# Altium PCB 51最小系统.PcbDoc (part 2 of 2)
Units mil, origin at the board's own origin, x right, y up, seen from the top; angles counter-clockwise.
Board outline 6000 x 4000 mil, 2 copper layers (Top Layer, Bottom Layer); 22 components, 39 nets, 138 pads, 0 vias.
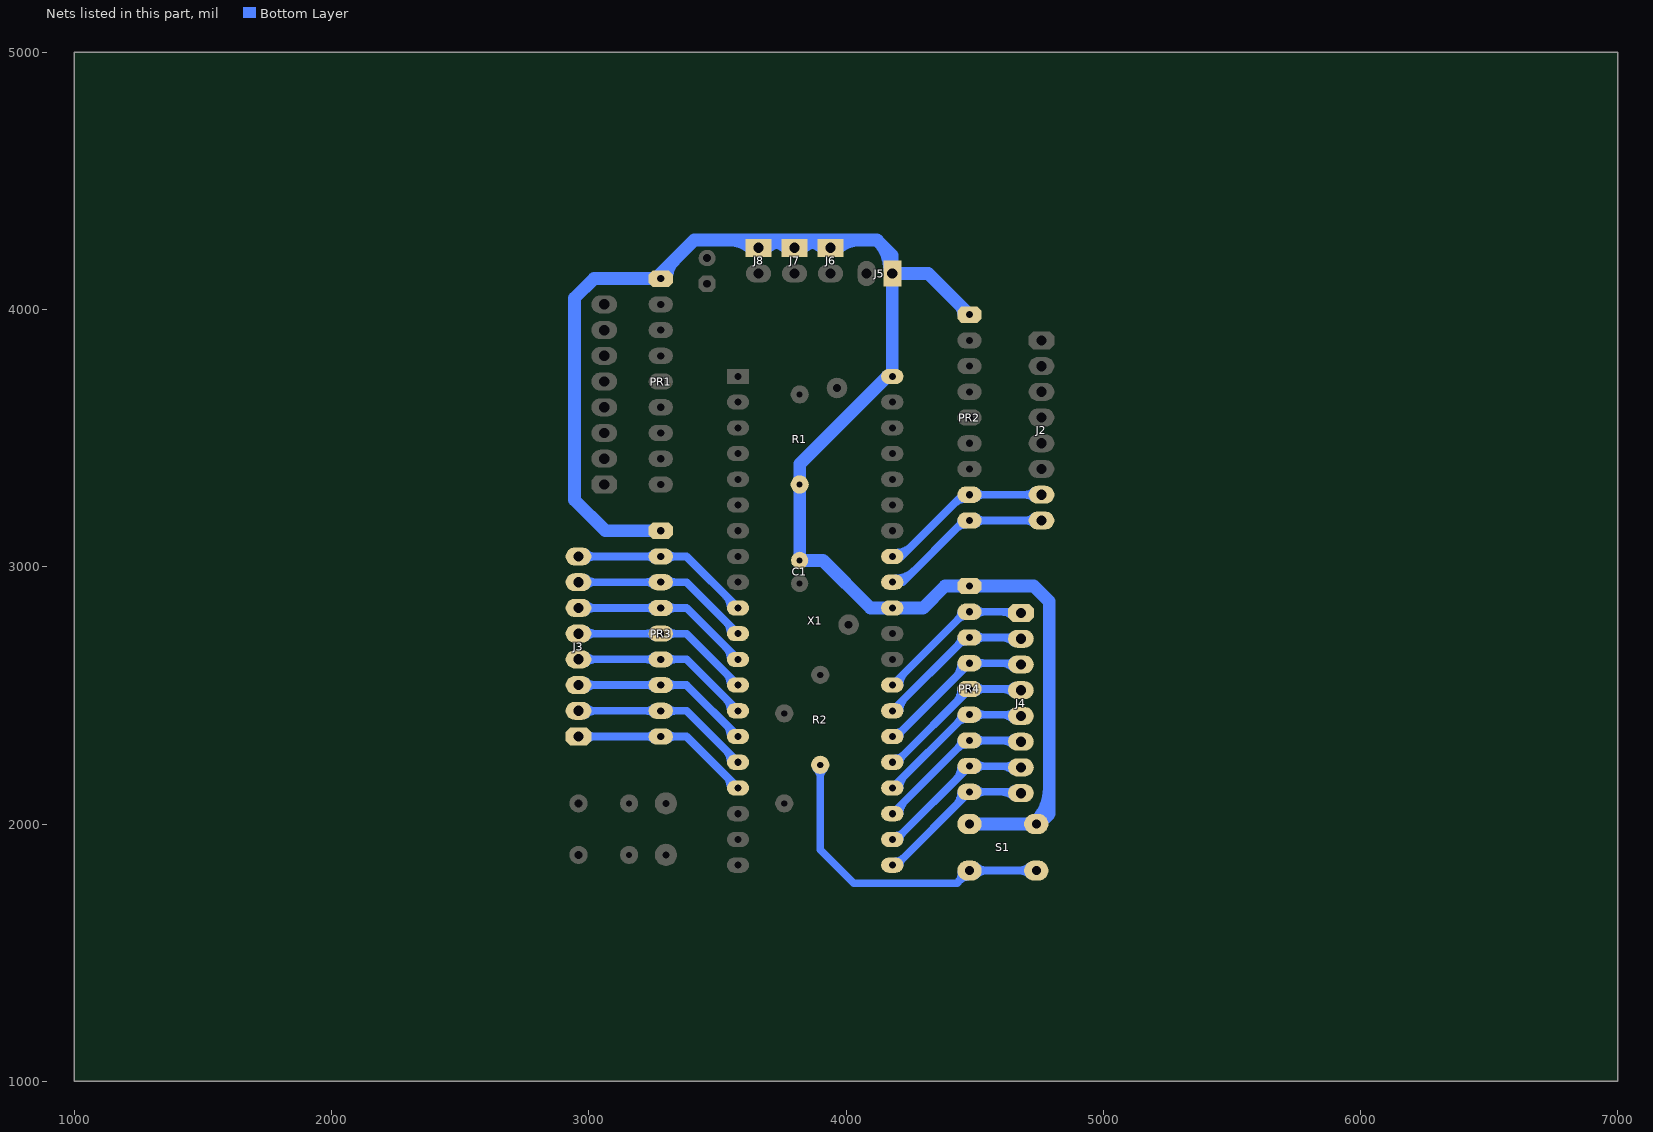
[diagram p2: the nets of this part, all layers, seen from the top]

## Nets (pads, with @x,y where several pads share a name; then routed paths per layer and width w, separated by ;. In a path a pad name is that pad's centre, name@x,y a point inside that pad or via, vN(x,y) a via of type N, cw(c..) or ccw(c..) an arc to the next point about the centre after c; other vN are vias at no path point) (continued)
NetJ2_7: J2.7 PR2.8 X1.33 | length 1444.4
  Bottom Layer w30: X1.33@4180,3040 4215,3040 4455,3280 PR2.8@4480,3280 J2.7@4760,3280 ; X1.33@4193.78,3054.53 ccw(c4193.78,3140.83) 4254.81,3079.81 ; X1.33@4193.78,3054.53 ccw(c4193.78,3140.83) 4254.81,3079.81 ; X1.33@4193.78,3054.53 ccw(c4193.78,3140.83) 4254.81,3079.81 ; 4420.3,3245.3 cw(c4464.25,3201.34) PR2.8@4464.25,3263.5 ; 4420.3,3245.3 cw(c4464.25,3201.34) PR2.8@4464.25,3263.5 ; 4420.3,3245.3 cw(c4464.25,3201.34) PR2.8@4464.25,3263.5 ; PR2.8@4507.41,3268.34 cw(c4535.57,3240.18) 4535.57,3280 ; PR2.8@4507.41,3268.34 cw(c4535.57,3240.18) 4535.57,3280 ; PR2.8@4507.41,3268.34 cw(c4535.57,3240.18) 4535.57,3280 ; PR2.8@4507.41,3291.66 ccw(c4535.57,3319.82) 4535.57,3280 ; PR2.8@4507.41,3291.66 ccw(c4535.57,3319.82) 4535.57,3280 ; PR2.8@4507.41,3291.66 ccw(c4535.57,3319.82) 4535.57,3280 ; 4696.72,3280 cw(c4696.72,3231.72) J2.7@4730.86,3265.86 ; 4696.72,3280 ccw(c4696.72,3328.28) J2.7@4730.86,3294.14 ; 4696.72,3280 cw(c4696.72,3231.72) J2.7@4730.86,3265.86 ; 4696.72,3280 ccw(c4696.72,3328.28) J2.7@4730.86,3294.14 ; 4696.72,3280 ccw(c4696.72,3328.28) J2.7@4730.86,3294.14 ; 4696.72,3280 cw(c4696.72,3231.72) J2.7@4730.86,3265.86
NetJ2_8: J2.8 PR2.9 X1.32 | length 1514.1
  Bottom Layer w30: X1.32@4180,2940 4220,2940 4460,3180 PR2.9@4480,3180 J2.8@4760,3180 ; X1.32@4193.78,2954.53 ccw(c4193.78,3052.9) 4263.34,2983.34 ; X1.32@4193.78,2954.53 ccw(c4193.78,3052.9) 4263.34,2983.34 ; X1.32@4193.78,2954.53 ccw(c4193.78,3052.9) 4263.34,2983.34 ; 4428.83,3148.83 cw(c4464.25,3113.41) PR2.9@4464.25,3163.5 ; 4428.83,3148.83 cw(c4464.25,3113.41) PR2.9@4464.25,3163.5 ; 4428.83,3148.83 cw(c4464.25,3113.41) PR2.9@4464.25,3163.5 ; 4439.1,3159.1 ccw(c4418.2,3180) PR2.9@4447.76,3180 ; 4439.1,3159.1 ccw(c4418.2,3180) PR2.9@4447.76,3180 ; 4439.1,3159.1 ccw(c4418.2,3180) PR2.9@4447.76,3180 ; PR2.9@4507.41,3168.34 cw(c4535.57,3140.18) 4535.57,3180 ; PR2.9@4507.41,3168.34 cw(c4535.57,3140.18) 4535.57,3180 ; PR2.9@4507.41,3168.34 cw(c4535.57,3140.18) 4535.57,3180 ; PR2.9@4507.41,3191.66 ccw(c4535.57,3219.82) 4535.57,3180 ; PR2.9@4507.41,3191.66 ccw(c4535.57,3219.82) 4535.57,3180 ; PR2.9@4507.41,3191.66 ccw(c4535.57,3219.82) 4535.57,3180 ; 4696.72,3180 cw(c4696.72,3131.72) J2.8@4730.86,3165.86 ; 4696.72,3180 ccw(c4696.72,3228.28) J2.8@4730.86,3194.14 ; 4696.72,3180 cw(c4696.72,3131.72) J2.8@4730.86,3165.86 ; 4696.72,3180 ccw(c4696.72,3228.28) J2.8@4730.86,3194.14 ; 4696.72,3180 ccw(c4696.72,3228.28) J2.8@4730.86,3194.14 ; 4696.72,3180 cw(c4696.72,3131.72) J2.8@4730.86,3165.86
NetJ3_1: J3.1 PR3.9 X1.17 | length 1466.7
  Bottom Layer w30: J3.1@2960,2340 3380,2340 X1.17@3580,2140 ; J3.1@2989.14,2325.86 cw(c3023.28,2291.72) 3023.28,2340 ; J3.1@2989.14,2325.86 cw(c3023.28,2291.72) 3023.28,2340 ; J3.1@2989.14,2325.86 cw(c3023.28,2291.72) 3023.28,2340 ; J3.1@2989.14,2354.14 ccw(c3023.28,2388.28) 3023.28,2340 ; J3.1@2989.14,2354.14 ccw(c3023.28,2388.28) 3023.28,2340 ; J3.1@2989.14,2354.14 ccw(c3023.28,2388.28) 3023.28,2340 ; 3224.43,2340 cw(c3224.43,2300.18) PR3.9@3252.59,2328.34 ; 3224.43,2340 ccw(c3224.43,2379.82) PR3.9@3252.59,2351.66 ; 3224.43,2340 cw(c3224.43,2300.18) PR3.9@3252.59,2328.34 ; 3224.43,2340 ccw(c3224.43,2379.82) PR3.9@3252.59,2351.66 ; 3224.43,2340 ccw(c3224.43,2379.82) PR3.9@3252.59,2351.66 ; 3224.43,2340 cw(c3224.43,2300.18) PR3.9@3252.59,2328.34 ; PR3.9@3307.41,2328.34 cw(c3335.57,2300.18) 3335.57,2340 ; PR3.9@3307.41,2328.34 cw(c3335.57,2300.18) 3335.57,2340 ; PR3.9@3307.41,2328.34 cw(c3335.57,2300.18) 3335.57,2340 ; PR3.9@3307.41,2351.66 ccw(c3335.57,2379.82) 3335.57,2340 ; PR3.9@3307.41,2351.66 ccw(c3335.57,2379.82) 3335.57,2340 ; PR3.9@3307.41,2351.66 ccw(c3335.57,2379.82) 3335.57,2340 ; 3531.68,2188.32 cw(c3483.35,2140) X1.17@3551.69,2140 ; 3531.68,2188.32 cw(c3483.35,2140) X1.17@3551.69,2140 ; 3531.68,2188.32 cw(c3483.35,2140) X1.17@3551.69,2140
NetJ3_2: J3.2 PR3.8 X1.16 | length 1466.7
  Bottom Layer w30: J3.2@2960,2440 3380,2440 X1.16@3580,2240 ; J3.2@2989.14,2425.86 cw(c3023.28,2391.72) 3023.28,2440 ; J3.2@2989.14,2425.86 cw(c3023.28,2391.72) 3023.28,2440 ; J3.2@2989.14,2425.86 cw(c3023.28,2391.72) 3023.28,2440 ; J3.2@2989.14,2454.14 ccw(c3023.28,2488.28) 3023.28,2440 ; J3.2@2989.14,2454.14 ccw(c3023.28,2488.28) 3023.28,2440 ; J3.2@2989.14,2454.14 ccw(c3023.28,2488.28) 3023.28,2440 ; 3224.43,2440 cw(c3224.43,2400.18) PR3.8@3252.59,2428.34 ; 3224.43,2440 ccw(c3224.43,2479.82) PR3.8@3252.59,2451.66 ; 3224.43,2440 cw(c3224.43,2400.18) PR3.8@3252.59,2428.34 ; 3224.43,2440 ccw(c3224.43,2479.82) PR3.8@3252.59,2451.66 ; 3224.43,2440 ccw(c3224.43,2479.82) PR3.8@3252.59,2451.66 ; 3224.43,2440 cw(c3224.43,2400.18) PR3.8@3252.59,2428.34 ; PR3.8@3307.41,2428.34 cw(c3335.57,2400.18) 3335.57,2440 ; PR3.8@3307.41,2428.34 cw(c3335.57,2400.18) 3335.57,2440 ; PR3.8@3307.41,2428.34 cw(c3335.57,2400.18) 3335.57,2440 ; PR3.8@3307.41,2451.66 ccw(c3335.57,2479.82) 3335.57,2440 ; PR3.8@3307.41,2451.66 ccw(c3335.57,2479.82) 3335.57,2440 ; PR3.8@3307.41,2451.66 ccw(c3335.57,2479.82) 3335.57,2440 ; 3531.68,2288.32 cw(c3483.35,2240) X1.16@3551.69,2240 ; 3531.68,2288.32 cw(c3483.35,2240) X1.16@3551.69,2240 ; 3531.68,2288.32 cw(c3483.35,2240) X1.16@3551.69,2240
NetJ3_3: J3.3 PR3.7 X1.15 | length 1466.7
  Bottom Layer w30: J3.3@2960,2540 3380,2540 X1.15@3580,2340 ; J3.3@2989.14,2525.86 cw(c3023.28,2491.72) 3023.28,2540 ; J3.3@2989.14,2525.86 cw(c3023.28,2491.72) 3023.28,2540 ; J3.3@2989.14,2525.86 cw(c3023.28,2491.72) 3023.28,2540 ; J3.3@2989.14,2554.14 ccw(c3023.28,2588.28) 3023.28,2540 ; J3.3@2989.14,2554.14 ccw(c3023.28,2588.28) 3023.28,2540 ; J3.3@2989.14,2554.14 ccw(c3023.28,2588.28) 3023.28,2540 ; 3224.43,2540 cw(c3224.43,2500.18) PR3.7@3252.59,2528.34 ; 3224.43,2540 ccw(c3224.43,2579.82) PR3.7@3252.59,2551.66 ; 3224.43,2540 cw(c3224.43,2500.18) PR3.7@3252.59,2528.34 ; 3224.43,2540 ccw(c3224.43,2579.82) PR3.7@3252.59,2551.66 ; 3224.43,2540 ccw(c3224.43,2579.82) PR3.7@3252.59,2551.66 ; 3224.43,2540 cw(c3224.43,2500.18) PR3.7@3252.59,2528.34 ; PR3.7@3307.41,2528.34 cw(c3335.57,2500.18) 3335.57,2540 ; PR3.7@3307.41,2528.34 cw(c3335.57,2500.18) 3335.57,2540 ; PR3.7@3307.41,2528.34 cw(c3335.57,2500.18) 3335.57,2540 ; PR3.7@3307.41,2551.66 ccw(c3335.57,2579.82) 3335.57,2540 ; PR3.7@3307.41,2551.66 ccw(c3335.57,2579.82) 3335.57,2540 ; PR3.7@3307.41,2551.66 ccw(c3335.57,2579.82) 3335.57,2540 ; 3531.68,2388.32 cw(c3483.35,2340) X1.15@3551.69,2340 ; 3531.68,2388.32 cw(c3483.35,2340) X1.15@3551.69,2340 ; 3531.68,2388.32 cw(c3483.35,2340) X1.15@3551.69,2340
NetJ3_4: J3.4 PR3.6 X1.14 | length 1466.7
  Bottom Layer w30: J3.4@2960,2640 3380,2640 X1.14@3580,2440 ; J3.4@2989.14,2625.86 cw(c3023.28,2591.72) 3023.28,2640 ; J3.4@2989.14,2625.86 cw(c3023.28,2591.72) 3023.28,2640 ; J3.4@2989.14,2625.86 cw(c3023.28,2591.72) 3023.28,2640 ; J3.4@2989.14,2654.14 ccw(c3023.28,2688.28) 3023.28,2640 ; J3.4@2989.14,2654.14 ccw(c3023.28,2688.28) 3023.28,2640 ; J3.4@2989.14,2654.14 ccw(c3023.28,2688.28) 3023.28,2640 ; 3224.43,2640 cw(c3224.43,2600.18) PR3.6@3252.59,2628.34 ; 3224.43,2640 ccw(c3224.43,2679.82) PR3.6@3252.59,2651.66 ; 3224.43,2640 cw(c3224.43,2600.18) PR3.6@3252.59,2628.34 ; 3224.43,2640 ccw(c3224.43,2679.82) PR3.6@3252.59,2651.66 ; 3224.43,2640 ccw(c3224.43,2679.82) PR3.6@3252.59,2651.66 ; 3224.43,2640 cw(c3224.43,2600.18) PR3.6@3252.59,2628.34 ; PR3.6@3307.41,2628.34 cw(c3335.57,2600.18) 3335.57,2640 ; PR3.6@3307.41,2628.34 cw(c3335.57,2600.18) 3335.57,2640 ; PR3.6@3307.41,2628.34 cw(c3335.57,2600.18) 3335.57,2640 ; PR3.6@3307.41,2651.66 ccw(c3335.57,2679.82) 3335.57,2640 ; PR3.6@3307.41,2651.66 ccw(c3335.57,2679.82) 3335.57,2640 ; PR3.6@3307.41,2651.66 ccw(c3335.57,2679.82) 3335.57,2640 ; 3531.68,2488.32 cw(c3483.35,2440) X1.14@3551.69,2440 ; 3531.68,2488.32 cw(c3483.35,2440) X1.14@3551.69,2440 ; 3531.68,2488.32 cw(c3483.35,2440) X1.14@3551.69,2440
NetJ3_5: J3.5 PR3.5 X1.13 | length 1466.7
  Bottom Layer w30: J3.5@2960,2740 3380,2740 X1.13@3580,2540 ; J3.5@2989.14,2725.86 cw(c3023.28,2691.72) 3023.28,2740 ; J3.5@2989.14,2725.86 cw(c3023.28,2691.72) 3023.28,2740 ; J3.5@2989.14,2725.86 cw(c3023.28,2691.72) 3023.28,2740 ; J3.5@2989.14,2754.14 ccw(c3023.28,2788.28) 3023.28,2740 ; J3.5@2989.14,2754.14 ccw(c3023.28,2788.28) 3023.28,2740 ; J3.5@2989.14,2754.14 ccw(c3023.28,2788.28) 3023.28,2740 ; 3224.43,2740 cw(c3224.43,2700.18) PR3.5@3252.59,2728.34 ; 3224.43,2740 ccw(c3224.43,2779.82) PR3.5@3252.59,2751.66 ; 3224.43,2740 cw(c3224.43,2700.18) PR3.5@3252.59,2728.34 ; 3224.43,2740 ccw(c3224.43,2779.82) PR3.5@3252.59,2751.66 ; 3224.43,2740 ccw(c3224.43,2779.82) PR3.5@3252.59,2751.66 ; 3224.43,2740 cw(c3224.43,2700.18) PR3.5@3252.59,2728.34 ; PR3.5@3307.41,2728.34 cw(c3335.57,2700.18) 3335.57,2740 ; PR3.5@3307.41,2728.34 cw(c3335.57,2700.18) 3335.57,2740 ; PR3.5@3307.41,2728.34 cw(c3335.57,2700.18) 3335.57,2740 ; PR3.5@3307.41,2751.66 ccw(c3335.57,2779.82) 3335.57,2740 ; PR3.5@3307.41,2751.66 ccw(c3335.57,2779.82) 3335.57,2740 ; PR3.5@3307.41,2751.66 ccw(c3335.57,2779.82) 3335.57,2740 ; 3531.68,2588.32 cw(c3483.35,2540) X1.13@3551.69,2540 ; 3531.68,2588.32 cw(c3483.35,2540) X1.13@3551.69,2540 ; 3531.68,2588.32 cw(c3483.35,2540) X1.13@3551.69,2540
NetJ3_6: J3.6 PR3.4 X1.12 | length 1466.7
  Bottom Layer w30: J3.6@2960,2840 3380,2840 X1.12@3580,2640 ; J3.6@2989.14,2825.86 cw(c3023.28,2791.72) 3023.28,2840 ; J3.6@2989.14,2825.86 cw(c3023.28,2791.72) 3023.28,2840 ; J3.6@2989.14,2825.86 cw(c3023.28,2791.72) 3023.28,2840 ; J3.6@2989.14,2854.14 ccw(c3023.28,2888.28) 3023.28,2840 ; J3.6@2989.14,2854.14 ccw(c3023.28,2888.28) 3023.28,2840 ; J3.6@2989.14,2854.14 ccw(c3023.28,2888.28) 3023.28,2840 ; 3224.43,2840 cw(c3224.43,2800.18) PR3.4@3252.59,2828.34 ; 3224.43,2840 ccw(c3224.43,2879.82) PR3.4@3252.59,2851.66 ; 3224.43,2840 cw(c3224.43,2800.18) PR3.4@3252.59,2828.34 ; 3224.43,2840 ccw(c3224.43,2879.82) PR3.4@3252.59,2851.66 ; 3224.43,2840 ccw(c3224.43,2879.82) PR3.4@3252.59,2851.66 ; 3224.43,2840 cw(c3224.43,2800.18) PR3.4@3252.59,2828.34 ; PR3.4@3307.41,2828.34 cw(c3335.57,2800.18) 3335.57,2840 ; PR3.4@3307.41,2828.34 cw(c3335.57,2800.18) 3335.57,2840 ; PR3.4@3307.41,2828.34 cw(c3335.57,2800.18) 3335.57,2840 ; PR3.4@3307.41,2851.66 ccw(c3335.57,2879.82) 3335.57,2840 ; PR3.4@3307.41,2851.66 ccw(c3335.57,2879.82) 3335.57,2840 ; PR3.4@3307.41,2851.66 ccw(c3335.57,2879.82) 3335.57,2840 ; 3531.68,2688.32 cw(c3483.35,2640) X1.12@3551.69,2640 ; 3531.68,2688.32 cw(c3483.35,2640) X1.12@3551.69,2640 ; 3531.68,2688.32 cw(c3483.35,2640) X1.12@3551.69,2640
NetJ3_7: J3.7 PR3.3 X1.11 | length 1466.7
  Bottom Layer w30: J3.7@2960,2940 3380,2940 X1.11@3580,2740 ; J3.7@2989.14,2925.86 cw(c3023.28,2891.72) 3023.28,2940 ; J3.7@2989.14,2925.86 cw(c3023.28,2891.72) 3023.28,2940 ; J3.7@2989.14,2925.86 cw(c3023.28,2891.72) 3023.28,2940 ; J3.7@2989.14,2954.14 ccw(c3023.28,2988.28) 3023.28,2940 ; J3.7@2989.14,2954.14 ccw(c3023.28,2988.28) 3023.28,2940 ; J3.7@2989.14,2954.14 ccw(c3023.28,2988.28) 3023.28,2940 ; 3224.43,2940 cw(c3224.43,2900.18) PR3.3@3252.59,2928.34 ; 3224.43,2940 ccw(c3224.43,2979.82) PR3.3@3252.59,2951.66 ; 3224.43,2940 cw(c3224.43,2900.18) PR3.3@3252.59,2928.34 ; 3224.43,2940 ccw(c3224.43,2979.82) PR3.3@3252.59,2951.66 ; 3224.43,2940 ccw(c3224.43,2979.82) PR3.3@3252.59,2951.66 ; 3224.43,2940 cw(c3224.43,2900.18) PR3.3@3252.59,2928.34 ; PR3.3@3307.41,2928.34 cw(c3335.57,2900.18) 3335.57,2940 ; PR3.3@3307.41,2928.34 cw(c3335.57,2900.18) 3335.57,2940 ; PR3.3@3307.41,2928.34 cw(c3335.57,2900.18) 3335.57,2940 ; PR3.3@3307.41,2951.66 ccw(c3335.57,2979.82) 3335.57,2940 ; PR3.3@3307.41,2951.66 ccw(c3335.57,2979.82) 3335.57,2940 ; PR3.3@3307.41,2951.66 ccw(c3335.57,2979.82) 3335.57,2940 ; 3531.68,2788.32 cw(c3483.35,2740) X1.11@3551.69,2740 ; 3531.68,2788.32 cw(c3483.35,2740) X1.11@3551.69,2740 ; 3531.68,2788.32 cw(c3483.35,2740) X1.11@3551.69,2740
NetJ3_8: J3.8 PR3.2 X1.10 | length 1466.7
  Bottom Layer w30: J3.8@2960,3040 3380,3040 X1.10@3580,2840 ; J3.8@2989.14,3025.86 cw(c3023.28,2991.72) 3023.28,3040 ; J3.8@2989.14,3025.86 cw(c3023.28,2991.72) 3023.28,3040 ; J3.8@2989.14,3025.86 cw(c3023.28,2991.72) 3023.28,3040 ; J3.8@2989.14,3054.14 ccw(c3023.28,3088.28) 3023.28,3040 ; J3.8@2989.14,3054.14 ccw(c3023.28,3088.28) 3023.28,3040 ; J3.8@2989.14,3054.14 ccw(c3023.28,3088.28) 3023.28,3040 ; 3224.43,3040 cw(c3224.43,3000.18) PR3.2@3252.59,3028.34 ; 3224.43,3040 ccw(c3224.43,3079.82) PR3.2@3252.59,3051.66 ; 3224.43,3040 cw(c3224.43,3000.18) PR3.2@3252.59,3028.34 ; 3224.43,3040 ccw(c3224.43,3079.82) PR3.2@3252.59,3051.66 ; 3224.43,3040 ccw(c3224.43,3079.82) PR3.2@3252.59,3051.66 ; 3224.43,3040 cw(c3224.43,3000.18) PR3.2@3252.59,3028.34 ; PR3.2@3307.41,3028.34 cw(c3335.57,3000.18) 3335.57,3040 ; PR3.2@3307.41,3028.34 cw(c3335.57,3000.18) 3335.57,3040 ; PR3.2@3307.41,3028.34 cw(c3335.57,3000.18) 3335.57,3040 ; PR3.2@3307.41,3051.66 ccw(c3335.57,3079.82) 3335.57,3040 ; PR3.2@3307.41,3051.66 ccw(c3335.57,3079.82) 3335.57,3040 ; PR3.2@3307.41,3051.66 ccw(c3335.57,3079.82) 3335.57,3040 ; 3531.68,2888.32 cw(c3483.35,2840) X1.10@3551.69,2840 ; 3531.68,2888.32 cw(c3483.35,2840) X1.10@3551.69,2840 ; 3531.68,2888.32 cw(c3483.35,2840) X1.10@3551.69,2840
NetJ4_1: J4.1 PR4.2 X1.28 | length 1384
  Bottom Layer w30: X1.28@4180,2540 4465,2825 PR4.2@4480,2825 4675,2825 J4.1@4680,2820 ; X1.28@4208.31,2540 cw(c4276.65,2540) 4228.32,2588.32 ; X1.28@4208.31,2540 cw(c4276.65,2540) 4228.32,2588.32 ; X1.28@4208.31,2540 cw(c4276.65,2540) 4228.32,2588.32 ; 4435.56,2795.56 ccw(c4406.13,2825) PR4.2@4447.76,2825 ; 4435.56,2795.56 ccw(c4406.13,2825) PR4.2@4447.76,2825 ; 4435.56,2795.56 ccw(c4406.13,2825) PR4.2@4447.76,2825 ; 4437.37,2797.37 cw(c4464.25,2770.49) PR4.2@4464.25,2808.5 ; 4437.37,2797.37 cw(c4464.25,2770.49) PR4.2@4464.25,2808.5 ; 4437.37,2797.37 cw(c4464.25,2770.49) PR4.2@4464.25,2808.5 ; PR4.2@4507.41,2813.34 cw(c4535.57,2785.18) 4535.57,2825 ; PR4.2@4507.41,2813.34 cw(c4535.57,2785.18) 4535.57,2825 ; PR4.2@4507.41,2813.34 cw(c4535.57,2785.18) 4535.57,2825 ; PR4.2@4507.41,2836.66 ccw(c4535.57,2864.82) 4535.57,2825 ; PR4.2@4507.41,2836.66 ccw(c4535.57,2864.82) 4535.57,2825 ; PR4.2@4507.41,2836.66 ccw(c4535.57,2864.82) 4535.57,2825 ; 4604.64,2825 cw(c4604.64,2759.64) J4.1@4650.86,2805.86 ; 4604.64,2825 cw(c4604.64,2759.64) J4.1@4650.86,2805.86 ; 4604.64,2825 cw(c4604.64,2759.64) J4.1@4650.86,2805.86 ; 4628.79,2825 ccw(c4628.79,2856.21) J4.1@4650.86,2834.14 ; 4628.79,2825 ccw(c4628.79,2856.21) J4.1@4650.86,2834.14 ; 4628.79,2825 ccw(c4628.79,2856.21) J4.1@4650.86,2834.14
NetJ4_2: J4.2 PR4.3 X1.27 | length 1384
  Bottom Layer w30: X1.27@4180,2440 4465,2725 PR4.3@4480,2725 4675,2725 J4.2@4680,2720 ; X1.27@4208.31,2440 cw(c4276.65,2440) 4228.32,2488.32 ; X1.27@4208.31,2440 cw(c4276.65,2440) 4228.32,2488.32 ; X1.27@4208.31,2440 cw(c4276.65,2440) 4228.32,2488.32 ; 4435.56,2695.56 ccw(c4406.13,2725) PR4.3@4447.76,2725 ; 4435.56,2695.56 ccw(c4406.13,2725) PR4.3@4447.76,2725 ; 4435.56,2695.56 ccw(c4406.13,2725) PR4.3@4447.76,2725 ; 4437.37,2697.37 cw(c4464.25,2670.49) PR4.3@4464.25,2708.5 ; 4437.37,2697.37 cw(c4464.25,2670.49) PR4.3@4464.25,2708.5 ; 4437.37,2697.37 cw(c4464.25,2670.49) PR4.3@4464.25,2708.5 ; PR4.3@4507.41,2713.34 cw(c4535.57,2685.18) 4535.57,2725 ; PR4.3@4507.41,2713.34 cw(c4535.57,2685.18) 4535.57,2725 ; PR4.3@4507.41,2713.34 cw(c4535.57,2685.18) 4535.57,2725 ; PR4.3@4507.41,2736.66 ccw(c4535.57,2764.82) 4535.57,2725 ; PR4.3@4507.41,2736.66 ccw(c4535.57,2764.82) 4535.57,2725 ; PR4.3@4507.41,2736.66 ccw(c4535.57,2764.82) 4535.57,2725 ; 4604.64,2725 cw(c4604.64,2659.64) J4.2@4650.86,2705.86 ; 4604.64,2725 cw(c4604.64,2659.64) J4.2@4650.86,2705.86 ; 4604.64,2725 cw(c4604.64,2659.64) J4.2@4650.86,2705.86 ; 4628.79,2725 ccw(c4628.79,2756.21) J4.2@4650.86,2734.14 ; 4628.79,2725 ccw(c4628.79,2756.21) J4.2@4650.86,2734.14 ; 4628.79,2725 ccw(c4628.79,2756.21) J4.2@4650.86,2734.14
NetJ4_3: J4.3 PR4.4 X1.26 | length 1384
  Bottom Layer w30: X1.26@4180,2340 4195,2340 PR4.4@4480,2625 4675,2625 J4.3@4680,2620 ; X1.26@4193.78,2354.53 ccw(c4193.78,2392.55) 4220.66,2365.66 ; X1.26@4193.78,2354.53 ccw(c4193.78,2392.55) 4220.66,2365.66 ; X1.26@4193.78,2354.53 ccw(c4193.78,2392.55) 4220.66,2365.66 ; X1.26@4208.31,2340 cw(c4240.43,2340) 4217.72,2362.72 ; X1.26@4208.31,2340 cw(c4240.43,2340) 4217.72,2362.72 ; X1.26@4208.31,2340 cw(c4240.43,2340) 4217.72,2362.72 ; 4424.96,2569.96 ccw(c4369.91,2625) PR4.4@4447.76,2625 ; 4424.96,2569.96 ccw(c4369.91,2625) PR4.4@4447.76,2625 ; 4424.96,2569.96 ccw(c4369.91,2625) PR4.4@4447.76,2625 ; PR4.4@4507.41,2613.34 cw(c4535.57,2585.18) 4535.57,2625 ; PR4.4@4507.41,2613.34 cw(c4535.57,2585.18) 4535.57,2625 ; PR4.4@4507.41,2613.34 cw(c4535.57,2585.18) 4535.57,2625 ; PR4.4@4507.41,2636.66 ccw(c4535.57,2664.82) 4535.57,2625 ; PR4.4@4507.41,2636.66 ccw(c4535.57,2664.82) 4535.57,2625 ; PR4.4@4507.41,2636.66 ccw(c4535.57,2664.82) 4535.57,2625 ; 4604.64,2625 cw(c4604.64,2559.64) J4.3@4650.86,2605.86 ; 4604.64,2625 cw(c4604.64,2559.64) J4.3@4650.86,2605.86 ; 4604.64,2625 cw(c4604.64,2559.64) J4.3@4650.86,2605.86 ; 4628.79,2625 ccw(c4628.79,2656.21) J4.3@4650.86,2634.14 ; 4628.79,2625 ccw(c4628.79,2656.21) J4.3@4650.86,2634.14 ; 4628.79,2625 ccw(c4628.79,2656.21) J4.3@4650.86,2634.14
NetJ4_4: J4.4 PR4.5 X1.25 | length 1384
  Bottom Layer w30: X1.25@4180,2240 4195,2240 PR4.5@4480,2525 4675,2525 J4.4@4680,2520 ; X1.25@4193.78,2254.53 ccw(c4193.78,2292.55) 4220.66,2265.66 ; X1.25@4193.78,2254.53 ccw(c4193.78,2292.55) 4220.66,2265.66 ; X1.25@4193.78,2254.53 ccw(c4193.78,2292.55) 4220.66,2265.66 ; X1.25@4208.31,2240 cw(c4240.43,2240) 4217.72,2262.72 ; X1.25@4208.31,2240 cw(c4240.43,2240) 4217.72,2262.72 ; X1.25@4208.31,2240 cw(c4240.43,2240) 4217.72,2262.72 ; 4424.96,2469.96 ccw(c4369.91,2525) PR4.5@4447.76,2525 ; 4424.96,2469.96 ccw(c4369.91,2525) PR4.5@4447.76,2525 ; 4424.96,2469.96 ccw(c4369.91,2525) PR4.5@4447.76,2525 ; PR4.5@4507.41,2513.34 cw(c4535.57,2485.18) 4535.57,2525 ; PR4.5@4507.41,2513.34 cw(c4535.57,2485.18) 4535.57,2525 ; PR4.5@4507.41,2513.34 cw(c4535.57,2485.18) 4535.57,2525 ; PR4.5@4507.41,2536.66 ccw(c4535.57,2564.82) 4535.57,2525 ; PR4.5@4507.41,2536.66 ccw(c4535.57,2564.82) 4535.57,2525 ; PR4.5@4507.41,2536.66 ccw(c4535.57,2564.82) 4535.57,2525 ; 4604.64,2525 cw(c4604.64,2459.64) J4.4@4650.86,2505.86 ; 4604.64,2525 cw(c4604.64,2459.64) J4.4@4650.86,2505.86 ; 4604.64,2525 cw(c4604.64,2459.64) J4.4@4650.86,2505.86 ; 4628.79,2525 ccw(c4628.79,2556.21) J4.4@4650.86,2534.14 ; 4628.79,2525 ccw(c4628.79,2556.21) J4.4@4650.86,2534.14 ; 4628.79,2525 ccw(c4628.79,2556.21) J4.4@4650.86,2534.14
NetJ4_5: J4.5 PR4.6 X1.24 | length 1384
  Bottom Layer w30: X1.24@4180,2140 4465,2425 PR4.6@4480,2425 4675,2425 J4.5@4680,2420 ; X1.24@4208.31,2140 cw(c4276.65,2140) 4228.32,2188.32 ; X1.24@4208.31,2140 cw(c4276.65,2140) 4228.32,2188.32 ; X1.24@4208.31,2140 cw(c4276.65,2140) 4228.32,2188.32 ; 4435.56,2395.56 ccw(c4406.13,2425) PR4.6@4447.76,2425 ; 4435.56,2395.56 ccw(c4406.13,2425) PR4.6@4447.76,2425 ; 4435.56,2395.56 ccw(c4406.13,2425) PR4.6@4447.76,2425 ; 4437.37,2397.37 cw(c4464.25,2370.49) PR4.6@4464.25,2408.5 ; 4437.37,2397.37 cw(c4464.25,2370.49) PR4.6@4464.25,2408.5 ; 4437.37,2397.37 cw(c4464.25,2370.49) PR4.6@4464.25,2408.5 ; PR4.6@4507.41,2413.34 cw(c4535.57,2385.18) 4535.57,2425 ; PR4.6@4507.41,2413.34 cw(c4535.57,2385.18) 4535.57,2425 ; PR4.6@4507.41,2413.34 cw(c4535.57,2385.18) 4535.57,2425 ; PR4.6@4507.41,2436.66 ccw(c4535.57,2464.82) 4535.57,2425 ; PR4.6@4507.41,2436.66 ccw(c4535.57,2464.82) 4535.57,2425 ; PR4.6@4507.41,2436.66 ccw(c4535.57,2464.82) 4535.57,2425 ; 4604.64,2425 cw(c4604.64,2359.64) J4.5@4650.86,2405.86 ; 4604.64,2425 cw(c4604.64,2359.64) J4.5@4650.86,2405.86 ; 4604.64,2425 cw(c4604.64,2359.64) J4.5@4650.86,2405.86 ; 4628.79,2425 ccw(c4628.79,2456.21) J4.5@4650.86,2434.14 ; 4628.79,2425 ccw(c4628.79,2456.21) J4.5@4650.86,2434.14 ; 4628.79,2425 ccw(c4628.79,2456.21) J4.5@4650.86,2434.14
NetJ4_6: J4.6 PR4.7 X1.23 | length 1384
  Bottom Layer w30: X1.23@4180,2040 4465,2325 PR4.7@4480,2325 4675,2325 J4.6@4680,2320 ; X1.23@4208.31,2040 cw(c4276.65,2040) 4228.32,2088.32 ; X1.23@4208.31,2040 cw(c4276.65,2040) 4228.32,2088.32 ; X1.23@4208.31,2040 cw(c4276.65,2040) 4228.32,2088.32 ; 4435.56,2295.56 ccw(c4406.13,2325) PR4.7@4447.76,2325 ; 4435.56,2295.56 ccw(c4406.13,2325) PR4.7@4447.76,2325 ; 4435.56,2295.56 ccw(c4406.13,2325) PR4.7@4447.76,2325 ; 4437.37,2297.37 cw(c4464.25,2270.49) PR4.7@4464.25,2308.5 ; 4437.37,2297.37 cw(c4464.25,2270.49) PR4.7@4464.25,2308.5 ; 4437.37,2297.37 cw(c4464.25,2270.49) PR4.7@4464.25,2308.5 ; PR4.7@4507.41,2313.34 cw(c4535.57,2285.18) 4535.57,2325 ; PR4.7@4507.41,2313.34 cw(c4535.57,2285.18) 4535.57,2325 ; PR4.7@4507.41,2313.34 cw(c4535.57,2285.18) 4535.57,2325 ; PR4.7@4507.41,2336.66 ccw(c4535.57,2364.82) 4535.57,2325 ; PR4.7@4507.41,2336.66 ccw(c4535.57,2364.82) 4535.57,2325 ; PR4.7@4507.41,2336.66 ccw(c4535.57,2364.82) 4535.57,2325 ; 4604.64,2325 cw(c4604.64,2259.64) J4.6@4650.86,2305.86 ; 4604.64,2325 cw(c4604.64,2259.64) J4.6@4650.86,2305.86 ; 4604.64,2325 cw(c4604.64,2259.64) J4.6@4650.86,2305.86 ; 4628.79,2325 ccw(c4628.79,2356.21) J4.6@4650.86,2334.14 ; 4628.79,2325 ccw(c4628.79,2356.21) J4.6@4650.86,2334.14 ; 4628.79,2325 ccw(c4628.79,2356.21) J4.6@4650.86,2334.14
NetJ4_7: J4.7 PR4.8 X1.22 | length 1384
  Bottom Layer w30: X1.22@4180,1940 4195,1940 PR4.8@4480,2225 4675,2225 J4.7@4680,2220 ; X1.22@4193.78,1954.53 ccw(c4193.78,1992.55) 4220.66,1965.66 ; X1.22@4193.78,1954.53 ccw(c4193.78,1992.55) 4220.66,1965.66 ; X1.22@4193.78,1954.53 ccw(c4193.78,1992.55) 4220.66,1965.66 ; X1.22@4208.31,1940 cw(c4240.43,1940) 4217.72,1962.72 ; X1.22@4208.31,1940 cw(c4240.43,1940) 4217.72,1962.72 ; X1.22@4208.31,1940 cw(c4240.43,1940) 4217.72,1962.72 ; 4424.96,2169.96 ccw(c4369.91,2225) PR4.8@4447.76,2225 ; 4424.96,2169.96 ccw(c4369.91,2225) PR4.8@4447.76,2225 ; 4424.96,2169.96 ccw(c4369.91,2225) PR4.8@4447.76,2225 ; PR4.8@4507.41,2213.34 cw(c4535.57,2185.18) 4535.57,2225 ; PR4.8@4507.41,2213.34 cw(c4535.57,2185.18) 4535.57,2225 ; PR4.8@4507.41,2213.34 cw(c4535.57,2185.18) 4535.57,2225 ; PR4.8@4507.41,2236.66 ccw(c4535.57,2264.82) 4535.57,2225 ; PR4.8@4507.41,2236.66 ccw(c4535.57,2264.82) 4535.57,2225 ; PR4.8@4507.41,2236.66 ccw(c4535.57,2264.82) 4535.57,2225 ; 4604.64,2225 cw(c4604.64,2159.64) J4.7@4650.86,2205.86 ; 4604.64,2225 cw(c4604.64,2159.64) J4.7@4650.86,2205.86 ; 4604.64,2225 cw(c4604.64,2159.64) J4.7@4650.86,2205.86 ; 4628.79,2225 ccw(c4628.79,2256.21) J4.7@4650.86,2234.14 ; 4628.79,2225 ccw(c4628.79,2256.21) J4.7@4650.86,2234.14 ; 4628.79,2225 ccw(c4628.79,2256.21) J4.7@4650.86,2234.14
NetJ4_8: J4.8 PR4.9 X1.21 | length 1384
  Bottom Layer w30: X1.21@4180,1840 4195,1840 PR4.9@4480,2125 4675,2125 J4.8@4680,2120 ; X1.21@4193.78,1854.53 ccw(c4193.78,1892.55) 4220.66,1865.66 ; X1.21@4193.78,1854.53 ccw(c4193.78,1892.55) 4220.66,1865.66 ; X1.21@4193.78,1854.53 ccw(c4193.78,1892.55) 4220.66,1865.66 ; X1.21@4208.31,1840 cw(c4240.43,1840) 4217.72,1862.72 ; X1.21@4208.31,1840 cw(c4240.43,1840) 4217.72,1862.72 ; X1.21@4208.31,1840 cw(c4240.43,1840) 4217.72,1862.72 ; 4424.96,2069.96 ccw(c4369.91,2125) PR4.9@4447.76,2125 ; 4424.96,2069.96 ccw(c4369.91,2125) PR4.9@4447.76,2125 ; 4424.96,2069.96 ccw(c4369.91,2125) PR4.9@4447.76,2125 ; PR4.9@4507.41,2113.34 cw(c4535.57,2085.18) 4535.57,2125 ; PR4.9@4507.41,2113.34 cw(c4535.57,2085.18) 4535.57,2125 ; PR4.9@4507.41,2113.34 cw(c4535.57,2085.18) 4535.57,2125 ; PR4.9@4507.41,2136.66 ccw(c4535.57,2164.82) 4535.57,2125 ; PR4.9@4507.41,2136.66 ccw(c4535.57,2164.82) 4535.57,2125 ; PR4.9@4507.41,2136.66 ccw(c4535.57,2164.82) 4535.57,2125 ; 4604.64,2125 cw(c4604.64,2059.64) J4.8@4650.86,2105.86 ; 4604.64,2125 cw(c4604.64,2059.64) J4.8@4650.86,2105.86 ; 4604.64,2125 cw(c4604.64,2059.64) J4.8@4650.86,2105.86 ; 4628.79,2125 ccw(c4628.79,2156.21) J4.8@4650.86,2134.14 ; 4628.79,2125 ccw(c4628.79,2156.21) J4.8@4650.86,2134.14 ; 4628.79,2125 ccw(c4628.79,2156.21) J4.8@4650.86,2134.14
NetR2_2: R2.2 S1.2 | length 2258.5
  Bottom Layer w30: R2.2@3900,2230 3900,1900 4030,1770 4431.1,1770 S1.2@4480,1818.9 S1.2@4739.84,1818.9 ; R2.2@3885.55,2215.55 cw(c3850.67,2180.67) 3900,2180.67 ; R2.2@3885.55,2215.55 cw(c3850.67,2180.67) 3900,2180.67 ; R2.2@3885.55,2215.55 cw(c3850.67,2180.67) 3900,2180.67 ; 3900,2180.67 cw(c3949.33,2180.67) R2.2@3914.45,2215.55 ; 3900,2180.67 cw(c3949.33,2180.67) R2.2@3914.45,2215.55 ; 3900,2180.67 cw(c3949.33,2180.67) R2.2@3914.45,2215.55 ; 4435.04,1773.94 ccw(c4401.94,1807.04) S1.2@4448.1,1814.84 ; 4435.04,1773.94 ccw(c4401.94,1807.04) S1.2@4448.1,1814.84 ; 4435.04,1773.94 ccw(c4401.94,1807.04) S1.2@4448.1,1814.84 ; 4443.97,1782.86 cw(c4472.13,1754.7) S1.2@4472.13,1794.53 ; 4443.97,1782.86 cw(c4472.13,1754.7) S1.2@4472.13,1794.53 ; 4443.97,1782.86 cw(c4472.13,1754.7) S1.2@4472.13,1794.53 ; S1.2@4505.11,1801.67 cw(c4546.71,1760.06) 4546.71,1818.9 ; S1.2@4505.11,1801.67 cw(c4546.71,1760.06) 4546.71,1818.9 ; S1.2@4505.11,1801.67 cw(c4546.71,1760.06) 4546.71,1818.9 ; S1.2@4505.11,1836.13 ccw(c4546.71,1877.73) 4546.71,1818.9 ; S1.2@4505.11,1836.13 ccw(c4546.71,1877.73) 4546.71,1818.9 ; S1.2@4505.11,1836.13 ccw(c4546.71,1877.73) 4546.71,1818.9 ; 4673.13,1818.9 cw(c4673.13,1760.06) S1.2@4714.74,1801.67 ; 4673.13,1818.9 ccw(c4673.13,1877.73) S1.2@4714.74,1836.13 ; 4673.13,1818.9 cw(c4673.13,1760.06) S1.2@4714.74,1801.67 ; 4673.13,1818.9 ccw(c4673.13,1877.73) S1.2@4714.74,1836.13 ; 4673.13,1818.9 ccw(c4673.13,1877.73) S1.2@4714.74,1836.13 ; 4673.13,1818.9 cw(c4673.13,1760.06) S1.2@4714.74,1801.67
VCC: C1.1 J5.1 J6.1 J7.1 J8.1 PR1.1 PR2.1 PR3.1 PR4.1 R1.1 S1.1 X1.31 X1.40 | length 8275.6
  Bottom Layer w50: PR3.1@3280,3140 3065,3140 2945,3260 2945,4045 3020,4120 3260,4120 3410,4270 4120,4270 4180,4210 J5.1@4180,4140 ; 3548.43,4270 cw(c3548.43,4143.43) J8.1@3637.93,4232.93 ; J8.1@3646.72,4268.28 cw(c3650.86,4264.14) J8.1@3650.86,4270 ; J8.1@3669.14,4270 cw(c3669.14,4264.14) J8.1@3673.28,4268.28 ; J8.1@3682.07,4232.93 cw(c3771.57,4143.43) J7.1@3771.57,4270 ; J8.1@3688.43,4270 cw(c3688.43,4143.43) J7.1@3777.93,4232.93 ; J7.1@3786.72,4268.28 cw(c3790.86,4264.14) J7.1@3790.86,4270 ; J7.1@3809.14,4270 cw(c3809.14,4264.14) J7.1@3813.28,4268.28 ; J7.1@3822.07,4232.93 cw(c3911.57,4143.43) J6.1@3911.57,4270 ; J7.1@3828.43,4270 cw(c3828.43,4143.43) J6.1@3917.93,4232.93 ; J6.1@3926.72,4268.28 cw(c3930.86,4264.14) J6.1@3930.86,4270 ; J6.1@3949.14,4270 cw(c3949.14,4264.14) J6.1@3953.28,4268.28 ; J6.1@3962.07,4232.93 cw(c4051.57,4143.43) 4051.57,4270 ; S1.1@4480,2000 S1.1@4739.84,2000 4750,2000 4790,2040 4790,2865 4730,2925 PR4.1@4480,2925 4385,2925 4300,2840 X1.31@4180,2840 4095,2840 3910,3025 C1.1@3820,3025 R1.1@3820,3320 3820,3400 4160,3740 X1.40@4180,3740 J5.1@4180,4140 ; PR2.1@4480,3980 4320,4140 J5.1@4180,4140 ; PR1.1@3302.24,4120 cw(c3404.23,4120) 3332.12,4192.11 ; PR1.1@3302.24,4120 cw(c3404.23,4120) 3332.12,4192.11 ; PR1.1@3302.24,4120 cw(c3404.23,4120) 3332.12,4192.11 ; 4124.04,4265.96 cw(c4013.08,4155) J5.1@4170,4155 ; 4124.04,4265.96 cw(c4013.08,4155) J5.1@4170,4155 ; 4124.04,4265.96 cw(c4013.08,4155) J5.1@4170,4155 ; 4442.03,4017.97 cw(c4404.05,3980) PR2.1@4457.76,3980 ; 4442.03,4017.97 cw(c4404.05,3980) PR2.1@4457.76,3980 ; 4442.03,4017.97 cw(c4404.05,3980) PR2.1@4457.76,3980 ; S1.1@4737.55,2010.16 ccw(c4610.94,2136.77) 4790,2136.77 ; S1.1@4737.55,2010.16 ccw(c4610.94,2136.77) 4790,2136.77 ; S1.1@4737.55,2010.16 ccw(c4610.94,2136.77) 4790,2136.77
pads on no net: X1.29 X1.30

## Other copper
Bottom Layer:
  text "二院科协" at 4810,4130 h135

## Text inside footprints (layer, text, board x,y; h text height)
C1: Top Overlay "+" at 3846.57,3016.42 h27.56 r270
D1: Top Overlay "+" at 3427,4088 h47.24 r90